# Altium PCB Einsy_Rambo.PcbDoc (part 1 of 4) (continued)
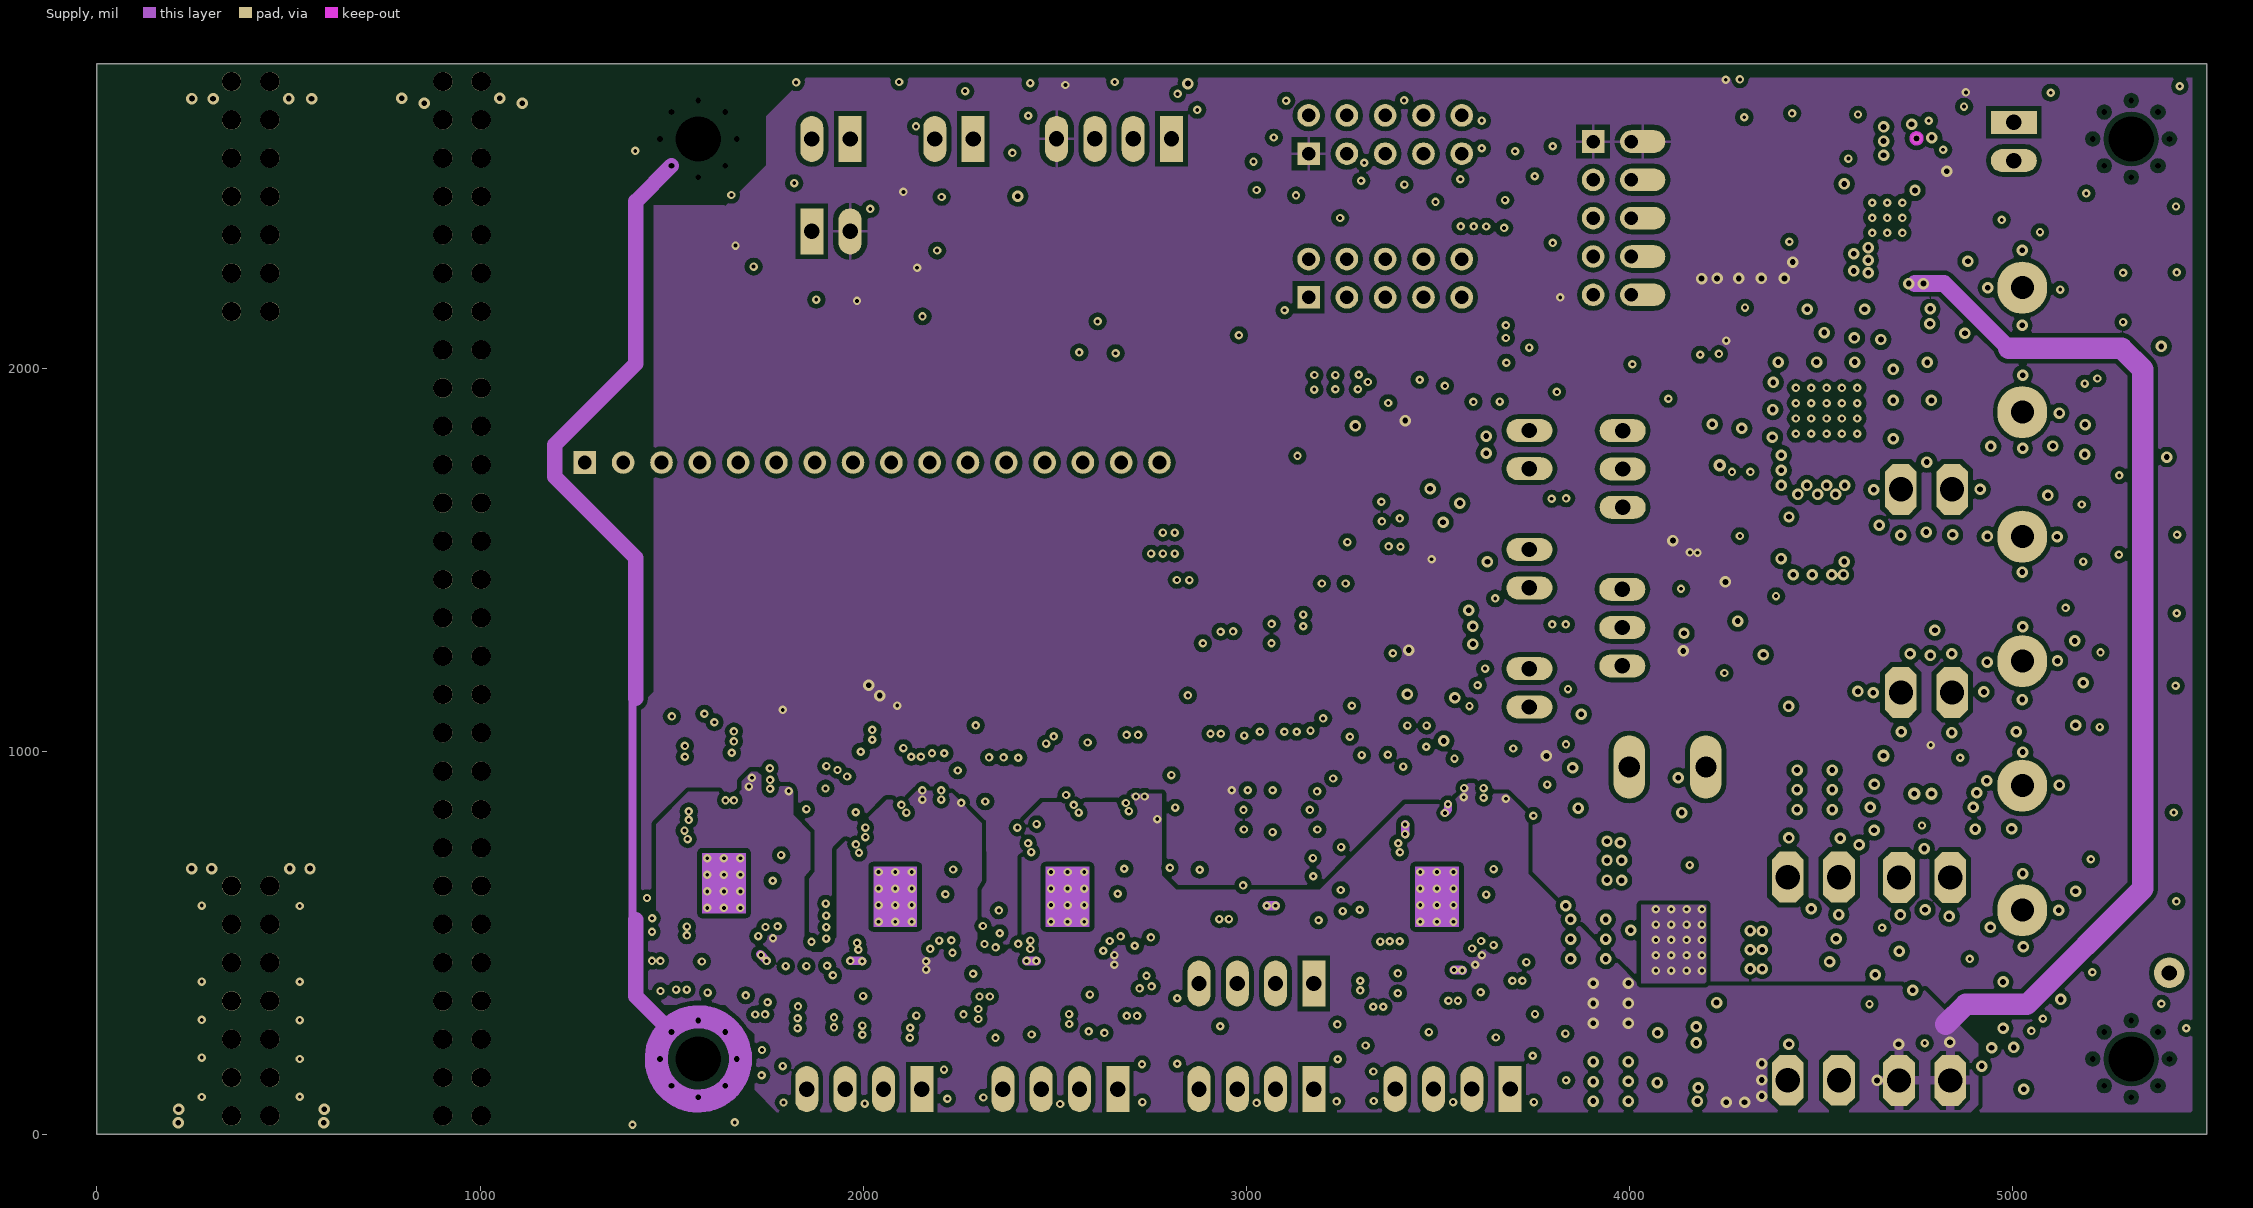
[diagram p4: Supply]
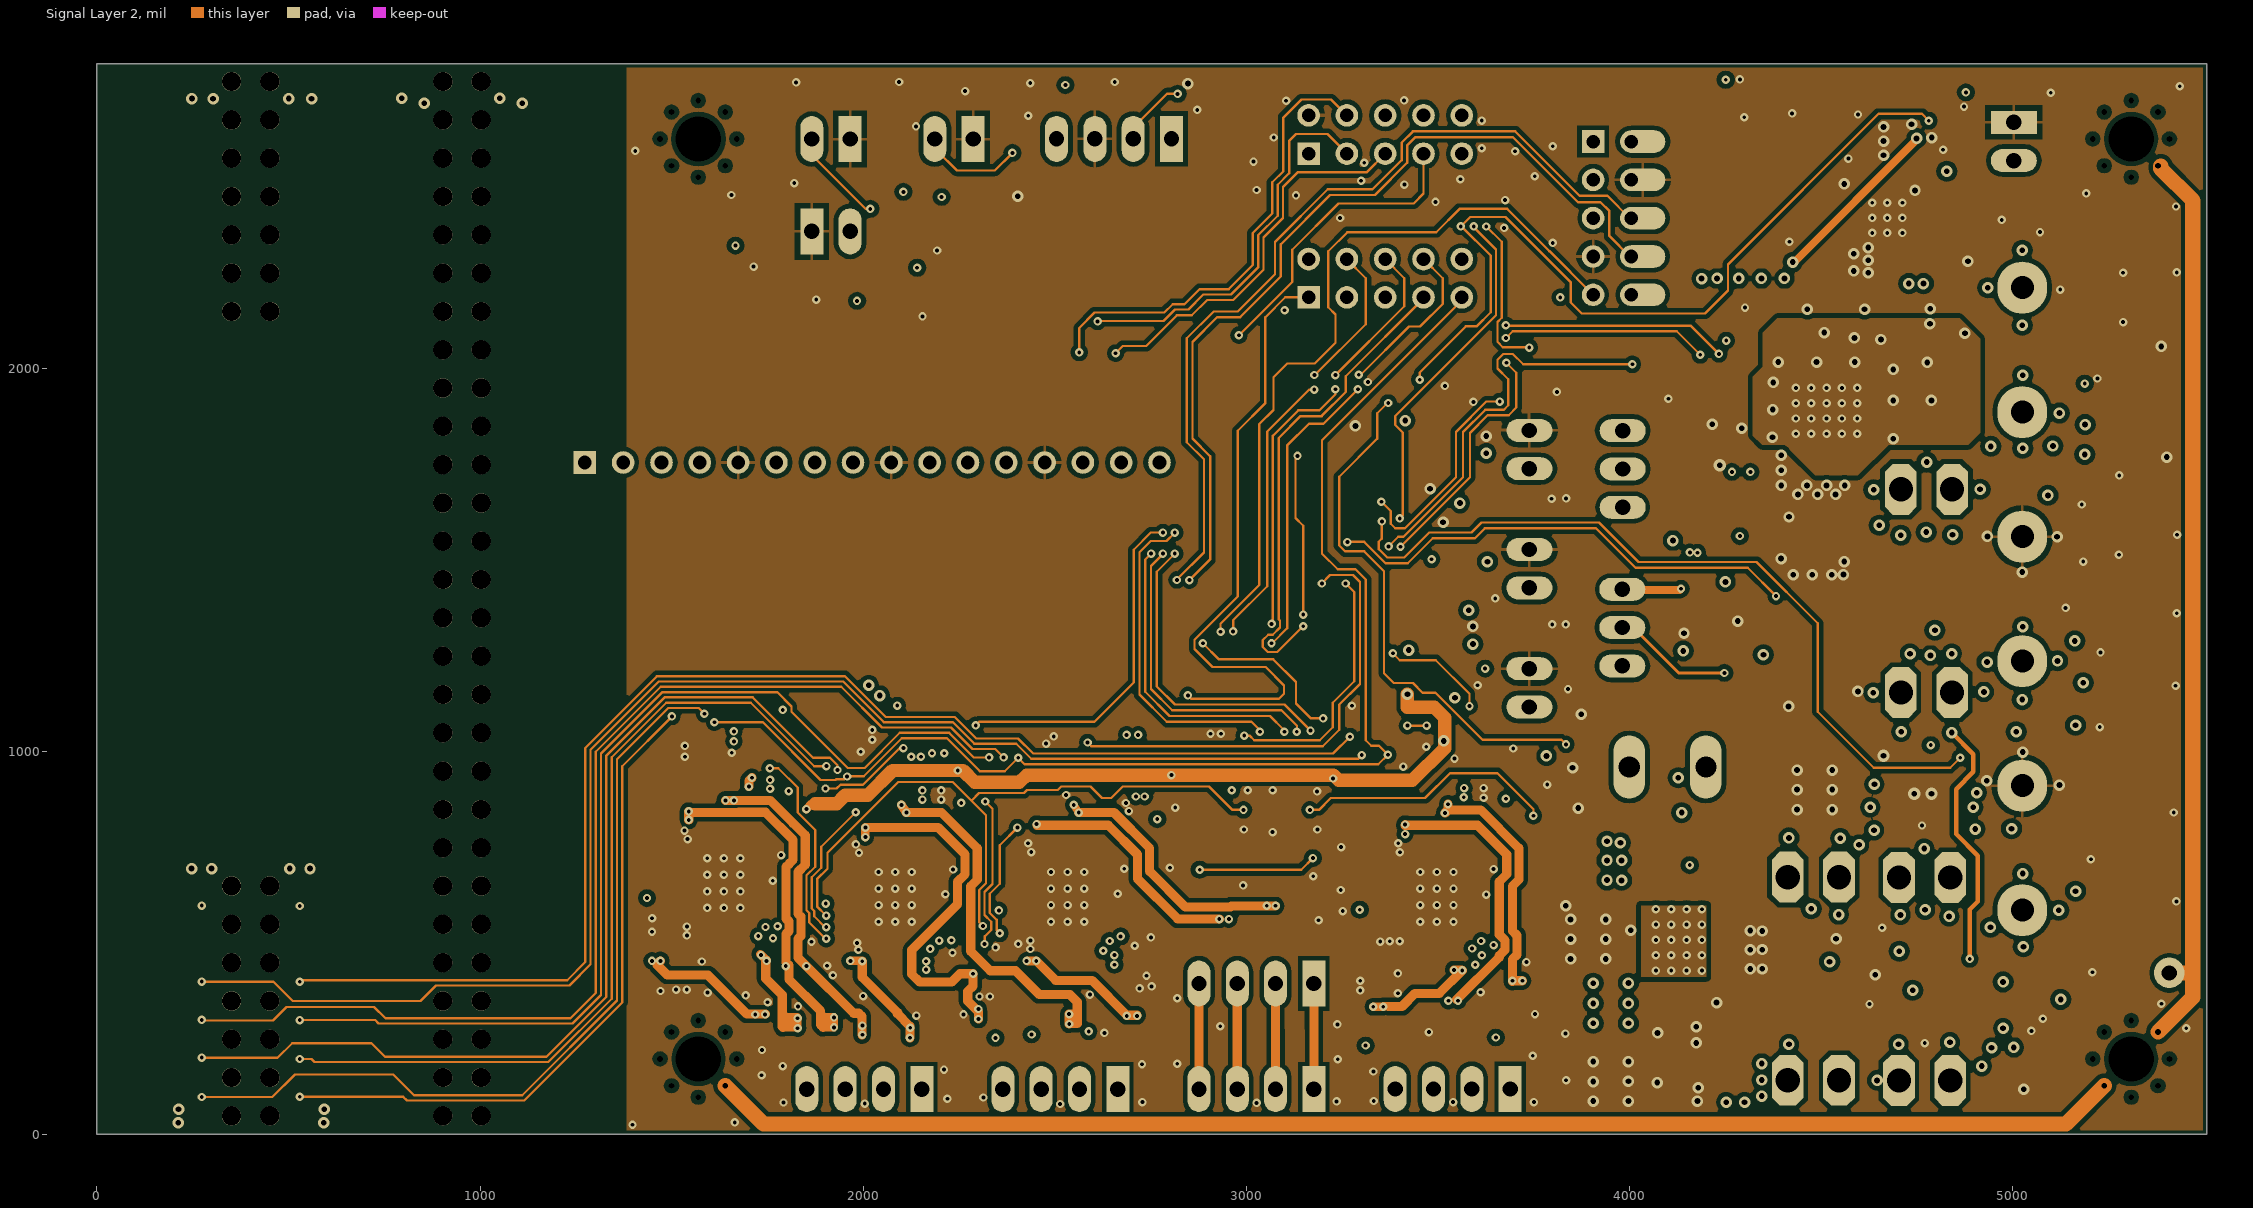
[diagram p5: Signal Layer 2]

## Layer stack, top to bottom
Top Solder: solder mask 0.472, Solder Resist, Dk 3.5
Top: signal copper 2.8
Dielectric 1: prepreg 4.321, FR-4, Dk 4.2
GND: plane copper 1.2, net GND
Dielectric 5: core 15.768, Dk 4.2
Signal Layer 1: signal copper 1.2
Dielectric 2: prepreg 11.28, FR-4, Dk 4.2
Supply: signal copper 1.2
Dielectric 3: core 15.748, FR-4, Dk 4.2
Signal Layer 2: signal copper 1.2
Dielectric 4: prepreg 4.321, Dk 4.2
Bottom: signal copper 2.8
Bottom Solder: solder mask 0.472, Solder Resist, Dk 3.5

## Board outline
0,0 5506.78,0 5506.78,2795 0,2795

## Design rules (kind name [scope] priority, off if disabled: settings)
AcuteAngle [All] p1: minimum=6.00000000000000E+0001 checktracksonly=FALSE
BoardOutlineClearance [All] p1: gap=10 ignorepadtopadclearanceinfootprint=FALSE except(0: Arc-SplitContinuation Track-SplitContinuation SMDPad-SplitContinuation THPad-SplitContinuation Via-SplitContinuation Fill-SplitContinuation Poly-SplitContinuation Region-SplitContinuation Text-SplitContinuation)
Clearance "Internal Layer Polygon" [(OnLayer('Signal Layer 1') OR OnLayer('Supply') OR OnLayer('Signal Layer 2'))] p1: gap=12 ignorepadtopadclearanceinfootprint=FALSE except(7: Arc-Arc Arc-Track Arc-SMDPad Arc-THPad Arc-Via Track-Track Track-SMDPad Track-THPad Track-Via SMDPad-SMDPad SMDPad-THPad SMDPad-Via SMDPad-Fill SMDPad-Poly SMDPad-Region THPad-THPad THPad-Via Via-Via; 9: Arc-Hole Track-Hole)
Clearance fiducial [InComponentClass('Fiducials')] p2: gap=7 ignorepadtopadclearanceinfootprint=FALSE except(0: Arc-Hole Track-Hole SMDPad-Hole THPad-Hole Via-Hole Fill-Hole Poly-Hole Region-Hole Text-Hole; 20: SMDPad-Poly)
Clearance "Polygon Clearance" [InPolygon] p3: gap=8 ignorepadtopadclearanceinfootprint=FALSE except(0: Arc-Hole Track-Hole SMDPad-Hole THPad-Hole Via-Hole Fill-Hole Poly-Hole Region-Hole Text-Hole; 10: Fill-Fill Fill-Poly Fill-Region Poly-Poly Poly-Region Region-Region)
Clearance Clearance_1 [All] p4: gap=8 ignorepadtopadclearanceinfootprint=FALSE
ComponentClearance ComponentClearance_Connectors [InComponentClass('Connectors')] p1 off: gap=1 collisioncheckmode=3 verticalgap=10 showdistances=FALSE
ComponentClearance [All] p2 off: gap=10 collisioncheckmode=3 verticalgap=10 showdistances=FALSE
HoleSize [All] p1: absolutevalues=TRUE maxlimit=100000 minlimit=7.87 maxpercent=80.000 minpercent=20.000
HoleToHoleClearance [All] p1: gap=8 allowstackedmicrovias=TRUE
MinimumAnnularRing [All] p1: minimumring=6
MinimumSolderMaskSliver [All] p1: minsoldermaskwidth=4
PasteMaskExpansion [All] p1: expansion=-1
PlaneClearance [All] p1: clearance=12
PlaneConnect PowerPlaneConnect+12V [InNet('+12V')] p1: planeconnectstyle=Relief reliefexpansion=20 reliefentries=4 reliefconductorwidth=24 reliefairgap=10
PlaneConnect PlaneConnect_Via [IsVia] p2: planeconnectstyle=Direct reliefexpansion=20 reliefentries=4 reliefconductorwidth=10 reliefairgap=10
PlaneConnect PowerPlaneConnect [All] p3: planeconnectstyle=Relief reliefexpansion=12 reliefentries=4 reliefconductorwidth=8 reliefairgap=12
PlaneConnect [All] p4: planeconnectstyle=Relief reliefexpansion=20 reliefentries=4 reliefconductorwidth=20 reliefairgap=10
PolygonConnect ThermalVias [IsVia] p1: connectstyle=Direct reliefconductorwidth=10 reliefentries=4 polygonreliefangle="90 Angle" airgapwidth=10
PolygonConnect PolygonConnect_no_connect [InNet('+12V2') and OnLayer('Top')  and InComponent('F2')] p2: connectstyle=NoConnect reliefconductorwidth=24 reliefentries=4 polygonreliefangle="90 Angle" airgapwidth=10
PolygonConnect "Direct Connect" [(IsNamedPolygon('Direct Connect')) OR (IsNamedPolygon('Direct-Connect')) OR InComponent('R13')  Or InComponent('D9') Or InComponent('L1') Or InComponent('C45') Or InComponent('U3') Or InComponent('C35') Or InComponent('R24') Or InComponent('D2') Or InComponent('D7') Or InComponent('D8') Or InComponent('Q1') Or InComponent('Q5') Or InComponent('D6') Or InComponent('D10') Or InComponent('C40')     Or InComponent('D8')  Or InComponent('F5')  Or InComponent('FB1') Or InComponent('FB2')] p3: connectstyle=Direct reliefconductorwidth=10 reliefentries=4 polygonreliefangle="90 Angle" airgapwidth=10
PolygonConnect "PolygonConnect_24 mil" [InNet('NetD6_A') OR  InNet('+12V2') OR InComponent('C54')   OR InNet('VMOT')     OR (IsNamedPolygon('Direct Connect')) Or InNet('12V-IN')] p4: connectstyle=Relief reliefconductorwidth=24 reliefentries=4 polygonreliefangle="90 Angle" airgapwidth=10
PolygonConnect "PolygonConnect_Bot 50mil" [InNet('+12V3') Or InNet('NetF3_1') Or InComponent('X10') Or (IsNamedPolygon('Direct Connect')) vs OnLayer('Bottom')] p5: connectstyle=Relief reliefconductorwidth=50 reliefentries=4 polygonreliefangle="90 Angle" airgapwidth=10
PolygonConnect PolygonConnect_50mil [InNet('Netd10_a')  Or (IsNamedPolygon('Direct Connect'))] p6: connectstyle=Relief reliefconductorwidth=50 reliefentries=4 polygonreliefangle="90 Angle" airgapwidth=10
PolygonConnect "Internal GND" [OnMid] p7: connectstyle=Relief reliefconductorwidth=8 reliefentries=4 polygonreliefangle="90 Angle" airgapwidth=14
PolygonConnect [All] p8: connectstyle=Relief reliefconductorwidth=10 reliefentries=4 polygonreliefangle="90 Angle" airgapwidth=10
RoutingVias [All] p1: holewidth=15 width=30 viastyle="Through Hole" minholewidth=10 minwidth=22 maxholewidth=15 maxwidth=32
SMDToCorner [All] p1: distance=30000
SilkToSilkClearance [All] p1 off: silktosilkclearance=10
SilkToSolderMaskClearance [IsPad] p1 off: minsilkscreentomaskgap=10 clearancetoexposedcopper=TRUE
SolderMaskExpansion SolderMaskExpansion_Via [IsVia] p1: expansion=-15
SolderMaskExpansion [All] p2: expansion=2
Width [All] p1: maxlimit=1000 minlimit=6 preferedwidth=24 toplayer_prefwidth=8 midlayer2_prefwidth=10 midlayer3_prefwidth=10 bottomlayer_prefwidth=8 minimp=50.000000 maximp=50.000000 favimp=50.000000
21 further rules are at their usual default settings.

## Classes and differential pairs
component class Power-SMPS: C17 C25 C27 C30 C35 C40 C45 C49 C60 C62 C79 C86 C87 C88 C89 C93 C103 C121 D7 D8 D9 F2 F3 FB2 FB4 H1 H2 H3 H4 J1 J7 JP2 L1 R3 R11 R13 R23 R24 R53 R55 R59 R66 TP8 TP32 TP66 TP67 TP68 TP69 U3
component class Fiducials: FID1 FID2 FID3

## Components (designator, comment, footprint, x,y, rotation, side; value= is the part's Value field where it differs from the comment)
C3 "100nF" C0603 4972.78,118 r0 top
C4 "100nF" C0402#1 3461.78,1621 r0 top
C5 "UWT1V101MCL1GS" CAP-ELEC-063063077 2775.42,1005 r180 top locked value=100uF
C17 "100nF" C0402#1 3832.78,988 r0 top
C18 "UWT1V101MCL1GS" CAP-ELEC-063063077 3951.78,240 r90 top locked value=100uF
C19 "1uF" C0402#1 3176.21,928.84 r0 top
C20 "1uF" C0402#1 3165.21,765.46 r0 top
C21 "1uF" C0402#1 3098.46,929.83 r180 top
C22 "1uF" C0402#1 3087.46,766.44 r180 top
C23 "100nF" C0603 2711.78,448 r180 top
C24 "UWT1V101MCL1GS" CAP-ELEC-063063077 1841.78,1037 r180 top locked value=100uF
C25 "100nF" C0603 4506.78,2207 r0 top
C27 "UWT1V101MCL1GS" CAP-ELEC-063063077 4483.78,1002 r90 top locked value=100uF
C28 "100nF" C0603 2264.78,812 r90 top
C29 "22nF" C0402#1 2258.16,738 r0 top
C30 "4.7uF" C1206 4713.78,2275 r180 top
C31 "100nF" C0603 3671.78,441 r180 top
C32 "100nF" C0603 2624.78,844 r180 top
C33 "100nF" C0603 2740.78,787 r0 top
C34 "22nF" C0402#1 2714.78,739 r0 top
C35 "1uF" C0805 4843.78,2290 r270 top
C36 "100nF" C0603 3587.78,845 r180 top
C37 "100nF" C0603 3678.78,816 r90 top
C38 "22nF" C0402#1 3672.78,739 r0 top
C39 "100nF" C0402#1 3355.78,547.84 r90 top
C40 "100nF" C0603 4471.78,2365 r90 top
C41 "100nF" C0402#1 3670.78,674 r270 top
C42 "100nF" C0402#1 4290.78,1307 r180 top
C43 "100nF" C0402#1 4220.78,2173.5 r270 top
C44 "100nF" C0402#1 2916.78,2742 r180 top
C45 "10uF" C0805 4506.78,2276 r0 top
C46 "100nF" C0402#1 4270.78,2724 r180 top
C47 "1uF" C0402#1 3023.65,929.83 r180 top
C48 "1uF" C0402#1 3009.7,766.44 r180 top
C49 "4.7nF" C0402#1 4766.78,2492 r180 top
C50 "100nF" C0402#1 2391.78,549 r90 top
C51 "100nF" C0402#1 1940.78,538 r90 top
C53 "100nF" C0402#1 2256.87,672.82 r270 top
C54 "100nF" C0402#1 2178.78,797 r180 top
C55 "100nF" C0402#1 2629.78,797 r180 top
C56 "100nF" C0402#2 3563.78,1596 r180 top
C59 "100nF" C0402#1 3436.02,1685.29 r0 top
C60 "100nF" C0603 4284.78,344 r180 top
C61 "1uF" C0402#1 2258.78,608 r180 top
C62 "100nF" C0603 4569.78,1197 r0 top
C64 "100nF" C0402#1 2707.68,674.21 r270 top
C65 "1nF" C0603 2601.78,302 r0 top
C66 "1nF" C0603 2260.03,366.25 r270 top
C71 "100nF" C0603 2111.78,922 r270 top
C72 "1uF" C0402#1 2717.78,610 r180 top
C73 "100nF" C0402#1 3592.78,798 r180 top
C75 "1nF" C0603 3161.78,597 r0 top
C76 "1uF" C0402#1 3673.78,606 r180 top
C77 "100nF" C0402#2 2154.03,2334.25 r180 top
C78 "1nF" C0603 3762.78,374 r270 top
C79 "100nF" C0402#2 4474.78,1575 r180 top
C80 "1nF" C0603 3650.78,360.23 r90 top
C82 "100nF" C0603 3527.78,923 r270 top
C83 "100nF" C0402#2 3359.28,1866 r180 top
C84 "100nF" C0603 5049.78,328 r270 top
C85 "100nF" C0603 5049.78,210 r90 top
C86 "100nF" C0603 4819.78,932 r180 top
C87 "100nF" C0603 4712.78,932 r0 top
C88 "100nF" C0603 4720.28,989.5 r180 top
C89 "100nF" C0603 4415.78,1180 r270 top
C90 "100nF" C0603 1815.78,846 r90 top
C91 "22nF" C0402#1 1810.78,774 r0 top
C92 "100nF" C0402#1 1722.78,823 r180 top
C93 "0603" C0603 3343.78,1105 r0 top value="10uF 6.3VDC"
C94 "100nF" C0402#1 1494.78,572 r90 top
C95 "100nF" C0402#1 1809.78,710 r270 top
C96 "1uF" C0402#1 1807.78,646 r180 top
C97 "1nF" C0603 1874.28,387 r270 top
C98 "1nF" C0603 1816.28,387.23 r270 top
C99 "100nF" C0603 1651.78,941 r270 top
C100 "1nF" C0603 1758.78,401 r270 top
C101 "1nF" C0603 1468.78,495 r180 top
C102 "100nF" C0603 1701.78,415 r90 top
C103 "UWT1V101MCL1GS" CAP-ELEC-063063077 3892.78,612 r90 top locked value=100uF
C104 "100nF" C0603 1805.78,479 r180 top
C105 "100nF" C0603 1729.78,869 r180 top
C106 "1nF" C0603 2152.03,366.25 r270 top
C107 "1nF" C0603 1909.03,469.25 r180 top
C108 "100nF" C0603 2069.78,320 r0 top
C109 "UWT1V101MCL1GS" CAP-ELEC-063063077 2293.39,1033.25 r180 top locked value=100uF
C110 "100nF" C0603 2219.78,447 r180 top
C111 "100nF" C0603 2175.78,844 r180 top
C112 "1nF" C0603 2954.78,624 r90 top
C113 "100nF" C0603 2486.78,851 r180 top
C114 "1nF" C0603 2670.78,382 r0 top
C115 "1nF" C0603 2359.78,455 r180 top
C116 "100nF" C0603 2555.03,382.25 r90 top
C117 "1nF" C0603 3451.78,307 r0 top
C118 "1nF" C0603 3278.78,543 r180 top
C119 "100nF" C0603 3547.78,389 r180 top
C120 "100nF" C0402#2 1926.78,2179.5 r0 top
C121 "100nF" C0402#2 4368.03,1639.25 r0 top
C122 "100nF" C0402#2 2484.78,2738.5 r0 top
C123 "100nF" C0402#2 4157.03,1628.25 r180 top
C124 "100nF" C0402#2 4133.03,1366.25 r90 top
D1 "BAT54" SOD523_IPC 3565.78,1777 r180 top
D2 "SMAJ28A" SMA-SM#1 4207.59,143.83 r180 top
D5 "BAT54" SOD523_IPC 3565.78,1823 r0 top
D6 "SK310A-TP" SMA-SM#2 4262.78,1179 r180 top value=SK310A
D7 "S3A-13-F" DO-214AB 4478.11,1392.19 r90 top locked
D8 "SMAJ28A" SMA-SM#1 4208.5,263.68 r180 top
D9 "SK310A-TP" SMA-SM#2 4308.78,2581 r0 top value=SK310A
D10 "SK310A-TP" SMA-SM#2 4866.03,2089.25 r90 top value=SK310A
D11 "BAT54" SOD523_IPC 3567.78,1496 r180 top
D12 "BAT54" SOD523_IPC 3567.78,1542 r0 top
D13 "BAT54" SOD523_IPC 3528.32,1280 r180 top
D14 "BAT54" SOD523_IPC 3527.78,1326 r0 top
D15 "BAT54" SOD523_IPC 4301.03,2107.25 r180 top
D33 "BAT54" SOD523_IPC 4205.78,1262 r0 top
D34 "BAT54" SOD523_IPC 4205.78,1308 r180 top
D35 "BAT54" SOD523_IPC 4301.03,2156.25 r0 top
D36 "BAT54" SOD523_IPC 2128.03,2233.25 r180 top
D37 "BAT54" SOD523_IPC 2140.03,2292.25 r0 top
F1 "3557-2" 3557 4770.78,406 r270 top value=Fuse
F2 "3557-2" 3557 4480.73,406.39 r270 top locked value=Fuse
F3 "3557-2" 3557 4775.78,1419 r90 top locked value=Fuse
FB1 "BLM41PG600SN1L" L1806 4975.78,259 r270 top value=60R
FB2 "BLM41PG600SN1L" L1806 4764.78,854 r180 top value=60R
FB4 "120R" FB0603 3421.78,1207 r270 top value=120Rfb
FB6 "120R" FB0603 1961.03,290.07 r270 top value=120Rfb
FB7 "120R" FB0603 1866.03,290.25 r270 top value=120Rfb
FB8 "120R" FB0603 1783.03,290.25 r270 top value=120Rfb
FB9 "120R" FB0603 2478.03,314.25 r180 top value=120Rfb
FB10 "120R" FB0603 2360.03,314.25 r0 top value=120Rfb
FB11 "120R" FB0603 2206.03,373.25 r270 top value=120Rfb
FB12 "120R" FB0603 2179.03,265.25 r0 top value=120Rfb
FB13 "120R" FB0603 3117.78,538 r0 top value=120Rfb
FB14 "120R" FB0603 3008.78,538 r0 top value=120Rfb
FB15 "120R" FB0603 2871.78,538 r0 top value=120Rfb
FB16 "120R" FB0603 2713.03,270.25 r0 top value=120Rfb
FB17 "120R" FB0603 3706.78,345 r270 top value=120Rfb
FB18 "120R" FB0603 3552.78,303 r0 top value=120Rfb
FB19 "120R" FB0603 3365.78,284 r270 top value=120Rfb
FB20 "120R" FB0603 3329.78,456 r180 top value=120Rfb
FB22 "120R" FB0603 2063.03,266.25 r0 top value=120Rfb
FB23 "120R" FB0603 4158.03,1487.25 r180 top value=120Rfb
FID1 "FIDUCIAL" FIDUCIAL-1X2 1437.01,2728.6 r0 top
FID2 "FIDUCIAL" FIDUCIAL-1X2 1437.01,68.17 r0 top
FID3 "FIDUCIAL" FIDUCIAL-1X2 5439.96,64.23 r0 top
H1 "Hole" Wave_hole_3x7-singleSided#1 5310.04,2598.68 r0 top
H2 "Hole" Wave_hole_3x7-singleSided#2 1569.88,2598.68 r0 top
H3 "Hole" Wave_hole_3x7-singleSided#1 1569.88,197.1 r0 top
H4 "Hole" Wave_hole_3x7-singleSided#1 5310.04,197.1 r0 top
J1 "2-1437667-9" CON-Barrier-6-8.26mm 5185.78,1398 r90 top locked value=6POS
J2 "CONN 2PIN VERT 0.1\" SHRD LOCKING" 70543-02#1 3739.17,1787.65 r270 top locked value=HDR2
J3 "CONN 2PIN VERT 0.1\" SHRD LOCKING" 70543-02#1 3739.17,1476.63 r270 top locked value=HDR2
J4 "Molex 70543-03" 70543-03 3982.78,1737 r90 top locked value=HDR3
J5 "Molex 70543-03" 70543-03 3981.78,1323 r90 top locked value=HDR3
J6 "CONN 2PIN VERT 0.1\" SHRD LOCKING" 70543-02#1 3739.17,1165.61 r270 top locked value=HDR2
J7 "CONN 2PIN VERT 0.1\" SHRD LOCKING" 70543-02#2 1916.03,2357.25 r0 top locked value=HDR2
J8 "Molex 0705430003" 4POL254 2003.03,118.25 r180 top locked value=HDR4
J9 "Molex 0705430003" 4POL254 2514.84,118.25 r180 top locked value=HDR4
J10 "Molex 0705430003" 4POL254 3026.65,393.84 r180 top locked value=HDR4
J11 "Molex 0705430003" 4POL254 3026.65,118.25 r180 top locked value=HDR4
J12 "Molex 0705430003" 4POL254 3538.86,118.65 r180 top locked value=HDR4
J13 "CONN 2PIN VERT 0.1\" SHRD LOCKING" 70543-02#2 1916.03,2598.25 r180 top locked value=HDR2
J14 "CONN 2PIN VERT 0.1\" SHRD LOCKING" 70543-02#2 2237.03,2598.25 r180 top locked value=HDR2
J15 "Molex 0705430003" 4POL254 2654.98,2598.68 r180 top locked value=HDR4
J16 "CONN 2PIN VERT 0.1\" SHRD LOCKING" 70543-02#2 5003.78,2592 r270 top value=HDR2
J17 "HDR14" HDR2x7_SMT_BOT_ENTRY_EX 952.95,1748.28 r90 top locked
J18 "HDR14" HDR2x7_SMT_BOT_ENTRY_EX 952.95,2448.28 r90 top locked
J19 "HDR14" HDR2x7_SMT_BOT_ENTRY_EX 952.95,1048.28 r90 top locked
J20 "HDR14" HDR2x7_SMT_BOT_ENTRY_EX 952.76,348.28 r90 top locked
J21 "HDR14" HDR2x7_SMT_BOT_ENTRY_EX 401.38,2448.28 r90 top
J22 "HDR14" HDR2x7_SMT_BOT_ENTRY_EX 401.38,348.28 r90 top
L1 "15uH" XAL50xx_VLS6045 4280.78,2371 r270 top
LED1 "YEL" LED2012120 1493.78,2401 r180 top
LED2 "RED" LED2012120 4138.78,646 r0 top
LED3 "RED" LED2012120 4237.03,1574.25 r90 top
LED5 "RED" LED2012120 4305.78,1429 r90 top
LED6 "RED" LED2012120 4836.03,1892.25 r90 top
LED7 "GRN" LED2012120 1493.78,2321 r180 top
LOGO1 "OSHW_LOGO_8MILX0150-NT" OSHW_8X150_NOTEXT 4605.78,1930 r0 top
"Net Tie1" "NetTie" "Net Tie" 5307.03,419.25 r90 bottom net-tie
"Net Tie2" "NetTie" "Net Tie" 1719.03,2439.25 r270 bottom net-tie
"Net Tie3" "NetTie" "Net Tie" 1737.03,78.25 r270 bottom net-tie
"Net Tie4" "NetTie" "Net Tie" 5311.03,2373.25 r270 bottom net-tie
P1 "HDR10" "HDR2X5 IDC" 3362.78,2610 r0 top locked
P2 "HDR10" "HDR2X5 IDC" 3362.78,2235 r0 top locked
P3 "HDR10" "HDR2X5 IDC THIEVING" 3955.46,2391.71 r270 top locked
P4 "Header 16" HDR1X16 1273.62,1753.94 r0 top
Q1 "PSMN1R8-40YLC" SOT669 4174.59,507.68 r90 top value=N-FET
Q2 "NCV8402AD" NCV8402AD-SOIC8 4241.78,1796.15 r180 top locked value=NCV8402
Q5 "PSMN1R8-40YLC" SOT669 4514.91,1843.77 r0 top value=N-FET
R3 "200K" R0402#1 4842.78,2387 r0 top
R4 "10R" R0402#1 2316.78,593 r90 top
R5 "4.7K" R0402#1 3495.78,1177 r270 top value=4.7k
R6 "2k37" R0402#1 3515.78,1713 r270 top
R7 "0.22R" R1206 2043.78,908 r90 top
R8 "10R" R0402#1 2753.78,674 r90 top
R9 "1.8K" R0402#1 4255.78,1396 r270 top
R10 "0.22R" R1206 2020.03,396.25 r180 top
R11 "10K" R0402#1 4827.78,2448 r90 top
R12 "10R" R0402#1 1867.78,613 r90 top
R13 "0.6r" 2512R-0.55 4583.78,2581 r180 top value=0.6R
R14 "10R" R0402#1 3718.78,674 r90 top
R15 "0.22R" R1206 2534.03,919.25 r0 top
R16 "1.8K" R0402#1 4165.03,1549.25 r0 top
R17 "0.22R" R1206 1583.78,950 r90 top
R18 "0.22R" R1206 1578.78,427 r180 top
R21 "100R" R0402#1 4292.03,2003.25 r180 top
R22 "0.22R" R1206 2431.03,387.25 r180 top
R23 "10K" R0402#1 4749.78,2553 r90 top
R24 "10K" R0402#1 4789.78,2553 r270 top
R25 "0.22R" R1206 3459.03,906.25 r90 top
R26 "0.22R" R1206 3397.78,388 r180 top
R28 "1.8K" R0402#1 4198.78,1392 r0 top
R29 "1.8K" R0402#1 4221.28,2088.9 r90 top
R30 "1K" R0402#1 4198.78,1352 r180 top
R31 "4.7K" R0402#1 3576.78,1692 r180 top value=4.7k
R32 "2k37" R0402#1 3576.78,1734 r180 top
R33 "1K" R0402#1 4180.28,2089 r270 top
R35 "1K" R0402#1 1619.78,2320 r0 top
R36 "4.7K" R0402#1 3531.78,1369 r0 top value=4.7k
R37 "2k37" R0402#1 3552.78,1433 r90 top
R38 "2k37" R0402#1 3511.78,1433 r90 top
R39 "2k37" R0402#1 3461.78,1583 r180 top
R40 "1.8K" R0402#1 4109.78,703 r180 top
R41 "2k37" R0402#1 3514.78,1236 r0 top
R42 "100R" R0402#1 4284.78,697 r0 top
R43 "100K" R0402#1 3348.78,1985 r0 top
R44 "1K" R0402#1 4290.78,1264 r180 top